# Altium PCB Lombardo_RevB.PcbDoc (part 2 of 2) (continued)
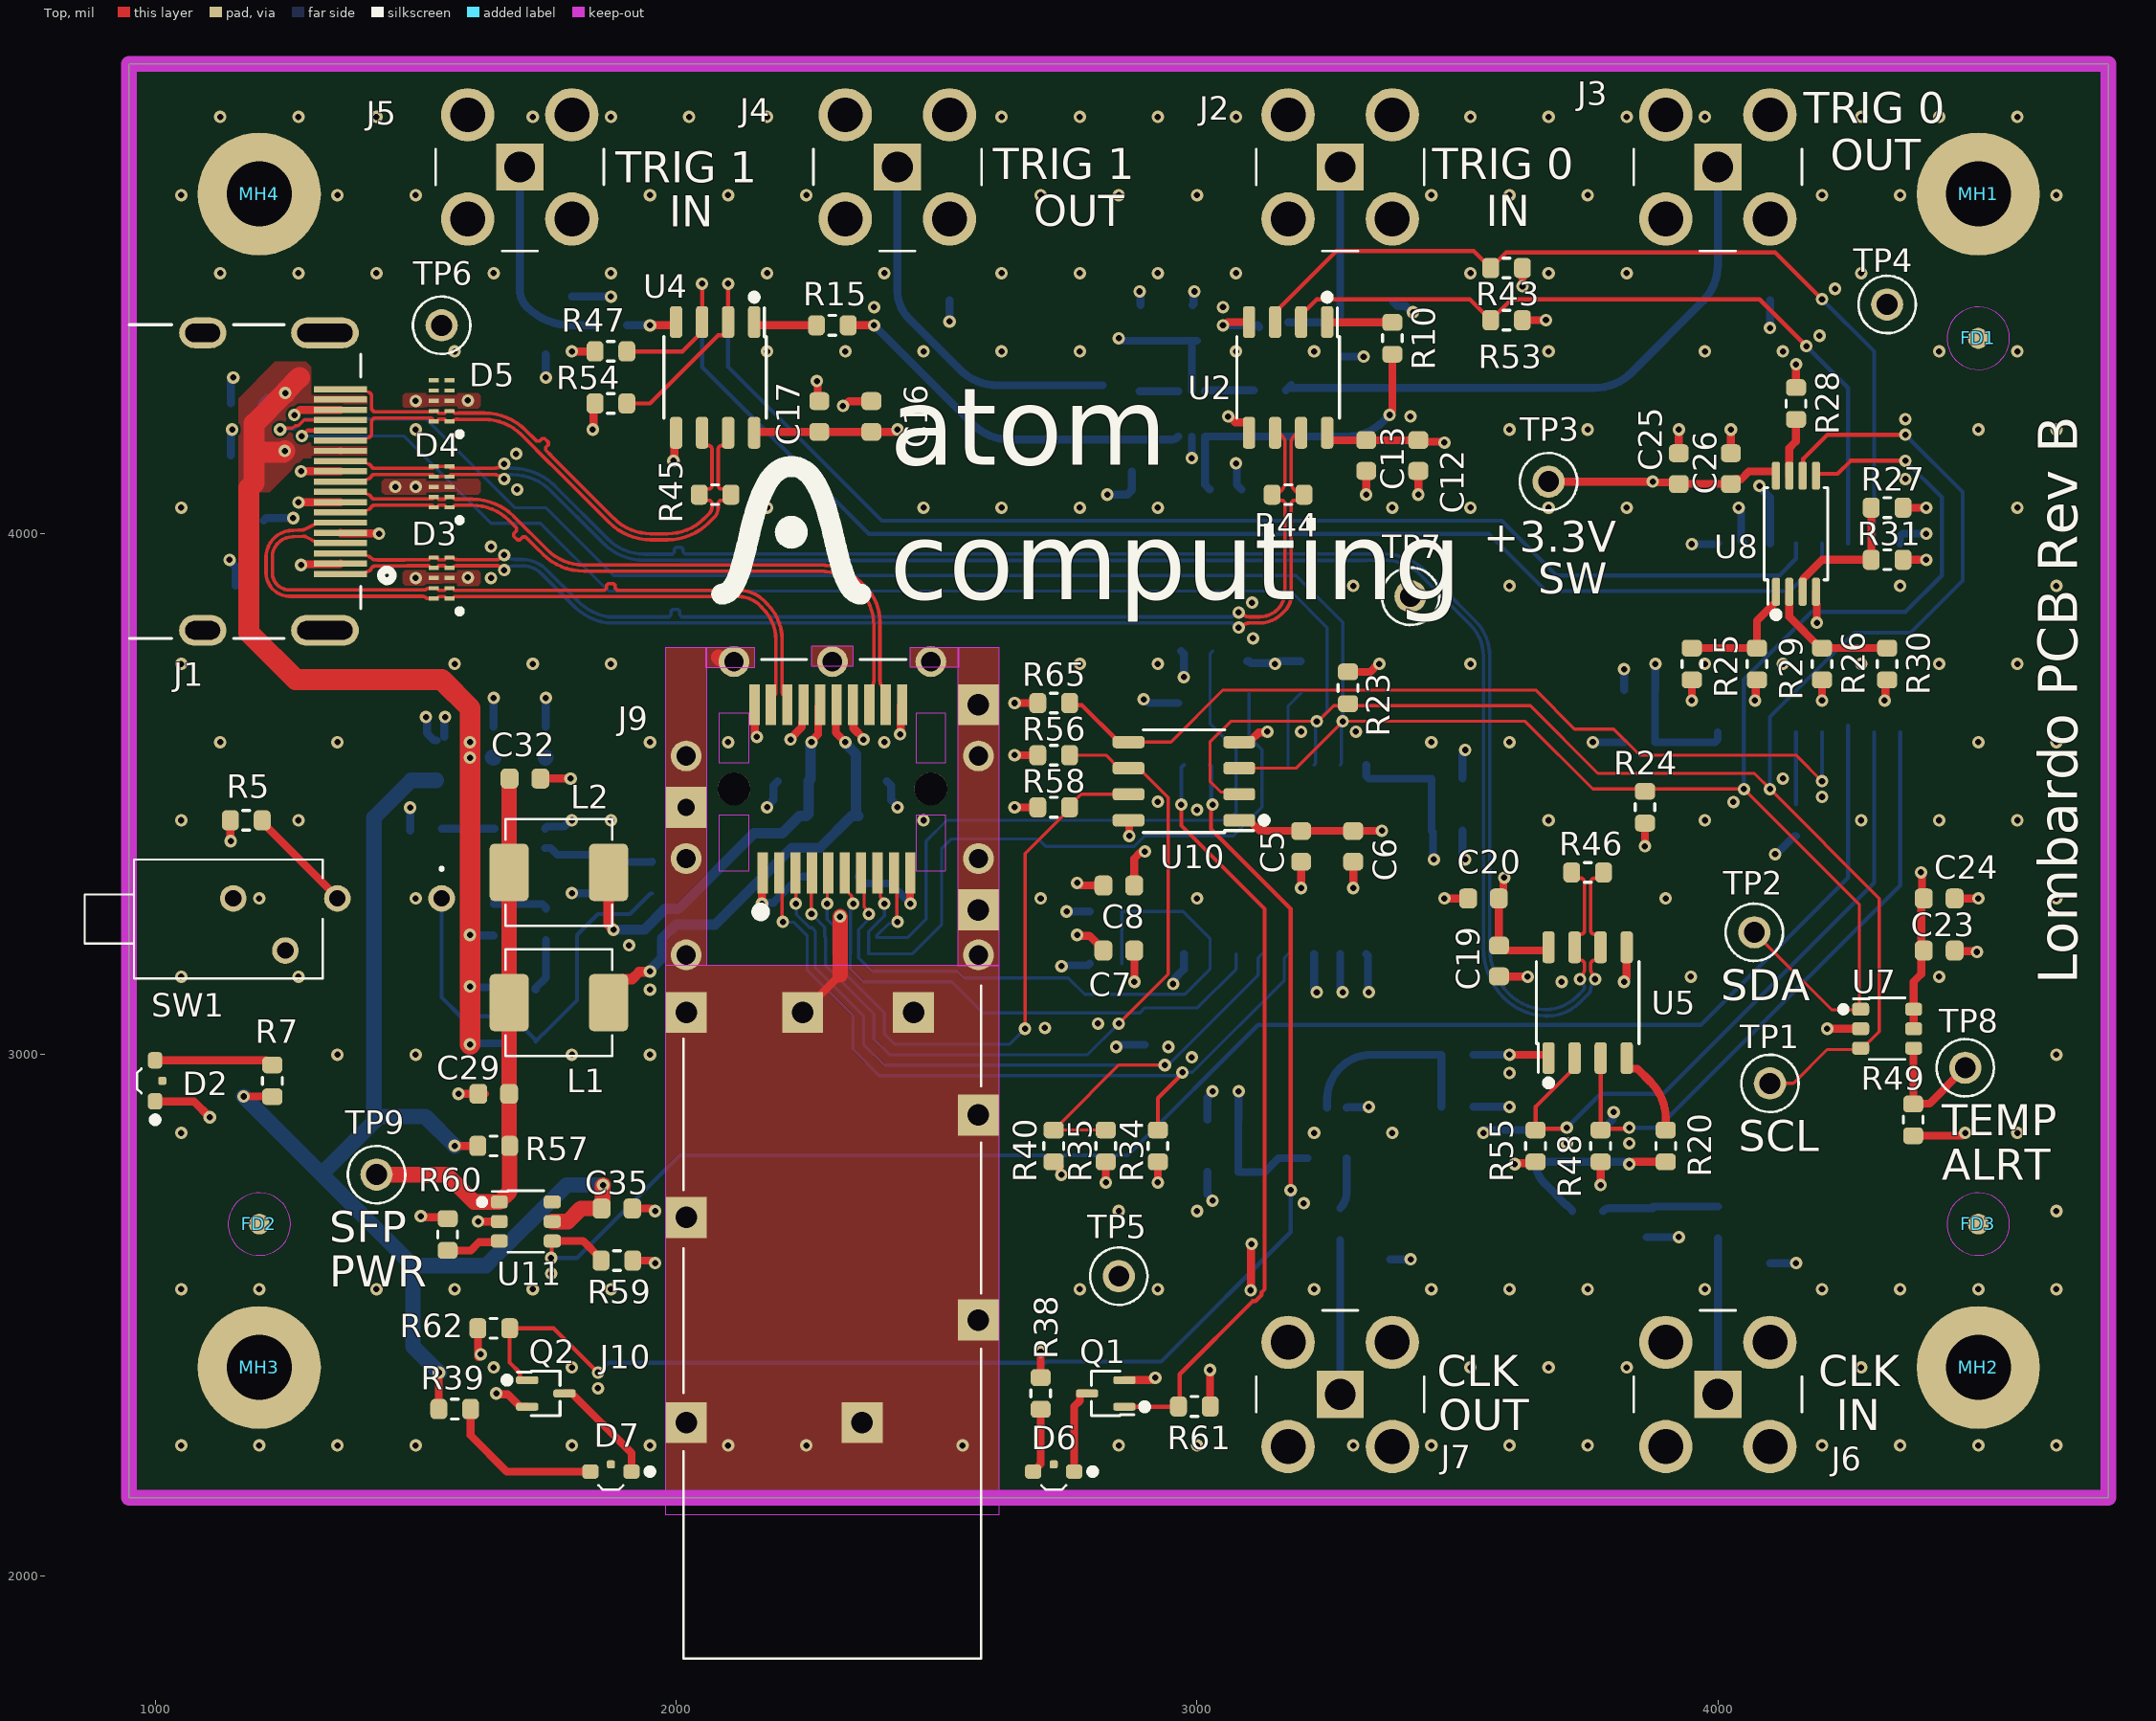
[diagram p0: Top view]
## Nets (pads, with @x,y where several pads share a name; then routed paths per layer and width w, separated by ;. In a path a pad name is that pad's centre, name@x,y a point inside that pad or via, vN(x,y) a via of type N, cw(c..) or ccw(c..) an arc to the next point about the centre after c; other vN are vias at no path point) (continued)
HDMI_MGT_TX_P: D3.2 D3.9 J1.4 J9.18 | length 1378.5
  Top w6.73: 1284.51,3995.39 1265.36,3994.23 cw(c1264.2,4013.41) 1264.2,3994.2 ccw(c1264.2,3955) 1225,3955 1225,3925 ccw(c1257.89,3925) 1257.89,3892.11 1518.63,3892.11 cw(c1526.38,3884.36) 1526.38,3895.31 D3.9@1534.74,3895.31 1540.16,3895.31 1544.13,3891.34 1555.87,3891.34 1559.84,3895.31 D3.2@1565.26,3895.31 1570.67,3895.31 1574.65,3891.34 1834.8,3891.34 1834.99,3891.52 1836.66,3891.52 ; 1284.53,3995.39 cw(c1284.94,3988.3) 1288.19,3994.62 1300.78,3988.08 1308.28,3984.24 J1.4@1355.91,3981.89 ; 1836.71,3891.52 1838.4,3891.52 1838.59,3891.34 1859.2,3891.34 1862.57,3891.34 1866.51,3895.28 1866.51,3901.03 1869.86,3904.37 1879.9,3904.37 1883.25,3901.03 1883.25,3895.28 1887.19,3891.34 1919.15,3891.34 2083.81,3891.34 2084,3891.15 2118.77,3891.15 2119.14,3891.52 2119.57,3891.52 cw(c2119.45,3819.67) 2173.85,3866.61 2175.67,3864.49 ccw(c2181.05,3869.14) 2175.97,3864.17 ; 2175.99,3864.15 cw(c2106.77,3796.31) 2203.69,3796.48 2203.69,3796.26 cw(c2191.59,3796.2) 2203.69,3796.2 2203.69,3696.11 ccw(c2213.39,3696.11) J9.18@2213.39,3686.42
HDMI_TRIGGER_0_DE: R43.2 U2.3 U9.7 | length 1690.8
  Top w8: U2.3@3150,4406.3 3150,4425 3267.69,4542.69 3531.17,4542.69 R43.2@3563.86,4510 3593.86,4540 4110,4540 v1(4200,4450)
  Bottom w8: v1(4200,4450) 4300,4350 U9.7@4300,3981.3
HDMI_TRIGGER_0_IN: D8.2 J2.1 R9.2 R11.2 | length 398.4
  Bottom w15.33: R9.2@3175,4405.51 R11.2@3275,4405.51 J2.1@3275,4703.94
HDMI_TRIGGER_0_N: D3.5 D3.6 J1.3 R44.2 U2.6 | length 2263.7
  Top w6.73: J1.3@1355.91,3962.2 1403.53,3959.85 1410.98,3956.04 cw(c1407.09,3948.43) 1412.21,3955.27 1417.36,3951.42 ccw(c1421.62,3957.11) 1421.62,3950 1426.35,3950 1426.54,3949.81 1478.64,3949.81 1479.22,3950.39 1525.35,3950.39 1529.33,3954.37 D3.6@1534.74,3954.37 1540.16,3954.37 1544.13,3950.39 1555.87,3950.39 1559.84,3954.37 D3.5@1565.26,3954.37 1570.66,3954.37 1571.21,3953.81 ccw(c1579.56,3962.16) 1579.56,3950.35 1654.57,3950.35 ccw(c1654.57,3957.14) 1654.73,3950.35 1656.05,3950.39 cw(c1656.52,3931.82) 1656.52,3950.39 ccw(c1656.52,3957.18) 1660.66,3951.8 v1(1670,3959) ; v1(3080,3849) cw(c3080,3839.4) 3086.79,3846.19 ccw(c3100.78,3860.18) 3100.78,3840.39 3120,3840.39 ccw(c3120,3889.63) 3154.81,3854.81 ccw(c3120.31,3889.32) 3169.11,3889.32 3169.11,4057.42 ccw(c3162.32,4057.42) 3167.12,4062.22 ccw(c3162.32,4057.42) 3162.32,4064.21 cw(c3162.32,4081.21) 3150.3,4069.19 R44.2@3144.49,4075 ccw(c3144.49,4099.46) 3168.95,4099.46 3168.95,4174.75 ccw(c3150,4174.75) U2.6@3150,4193.7
  Bottom w6.73: v1(1670,3959) ccw(c1690.39,3979.39) 1690.39,3950.55 1705,3950.55 cw(c1705,3886.41) 1750.35,3931.77 1811.61,3870.51 ccw(c1888.95,3947.85) 1822.24,3861.18 ccw(c1887.51,3946.01) 1870.13,3840.39 1872.55,3840.39 ; 1872.58,3840.37 1982.85,3840.37 1986.21,3840.37 1990.16,3844.31 1990.16,3851.25 1993.5,3854.6 2003.54,3854.6 2006.89,3851.25 2006.89,3844.31 2010.83,3840.37 2039.62,3840.37 2469.45,3840.37 3067.42,3840.37 3076.06,3849 v1(3080,3849)
HDMI_TRIGGER_0_OUT: R10.2 R50.2 U3.1 | length 591.2
  Top w15.33: v1(3370,4228) 3370,4230.35 3375,4235.35 R10.2@3375,4344.49
  Bottom w15.33: R50.2@3024.49,4085 3015.59,4093.9 U3.1@3015.59,4186.69 3287.27,4186.69 ccw(c3287.27,4286.69) 3357.98,4215.98 v1(3370,4228)
HDMI_TRIGGER_0_OUT_BUF: D9.2 J3.1 R12.2 | length 1140.4
  Bottom w15.33: R12.2@3170.51,4275 R12.2@3181.22,4285.71 ; R12.2@3175.87,4280 3763.58,4280 ccw(c3763.58,4380) 3834.29,4309.29 3970.71,4445.71 ccw(c3900,4516.42) 4000,4516.42 J3.1@4000,4703.94
HDMI_TRIGGER_0_P: D3.4 D3.7 J1.1 R44.1 U2.7 | length 2265.2
  Top w6.73: J1.1@1355.91,3922.83 1403.53,3925.19 1410.98,3929 ccw(c1407.09,3936.61) 1415.03,3933.44 cw(c1421.62,3930.79) 1421.62,3937.89 ; 1421.67,3937.89 1421.86,3938.08 1483.5,3938.08 1484.08,3938.66 1525.35,3938.66 1529.33,3934.68 D3.7@1534.74,3934.68 1540.16,3934.68 1544.13,3938.66 1555.87,3938.66 1559.84,3934.68 D3.4@1565.26,3934.68 1565.81,3935.24 1571.21,3935.24 cw(c1579.25,3927.2) 1579.25,3938.57 1654.57,3938.57 ccw(c1654.57,3957.14) 1655.03,3938.57 1656.35,3938.6 cw(c1656.52,3931.82) 1660.66,3937.2 v1(1670,3930) ; v1(3080,3820) ccw(c3080,3829.6) 3086.79,3822.81 cw(c3100.78,3808.82) 3100.78,3828.61 3120.12,3828.61 ccw(c3120.12,3889.33) 3163.06,3846.39 3168.33,3851.67 ccw(c3138.01,3881.99) 3180.89,3881.99 3180.89,4057.42 cw(c3187.68,4057.42) 3182.88,4062.22 cw(c3187.68,4057.42) 3187.68,4064.21 ccw(c3187.68,4081.21) 3199.7,4069.19 R44.1@3205.51,4075 cw(c3205.51,4099.46) 3181.05,4099.46 3181.05,4174.75 cw(c3200,4174.75) U2.7@3200,4193.7
  Bottom w6.73: v1(1670,3930) cw(c1690.39,3909.61) 1690.39,3938.45 1705,3938.45 cw(c1705,3886.41) 1741.79,3923.21 1806.12,3858.88 ccw(c1886.82,3945.3) 1867.75,3828.61 ; 1867.78,3828.63 2474.31,3828.63 3067.42,3828.63 3076.06,3820 v1(3080,3820)
HDMI_TRIGGER_0_RE_B: R53.1 U2.2 U9.6 | length 1480.7
  Top w8: U2.2@3200,4406.3 3200,4423.97 3207.67,4431.63 3211.63,4431.63 3230,4450 3523.86,4450 R53.1@3563.86,4410 3603.86,4450 4080,4450 v1(4170,4360)
  Bottom w8: v1(4170,4360) 4250,4280 U9.6@4250,3981.3
HDMI_TRIGGER_1_DE: R47.2 U4.3 U9.5 | length 2795.7
  Top w8: R47.2@1905.51,4350 2012.4,4350 2050,4387.6 U4.3@2050,4406.3 v1(2050,4480)
  Bottom w8: v1(2050,4480) 2050,4320 2370,4000 3560,4000 3670,3890 4138.23,3890 4200,3951.77 U9.5@4200,3981.3
HDMI_TRIGGER_1_IN: D11.2 J5.1 R14.2 R16.2 | length 412.5
  Bottom w15.33: J5.1@1700,4703.94 1700,4484.57 1700,4469.14 ccw(c1748.58,4469.14) 1714.27,4434.75 ccw(c1798.34,4519.06) 1799.45,4400 R14.2@1844.49,4400
HDMI_TRIGGER_1_N: D5.2 D5.9 J1.19 R45.2 U4.6 | length 1054.4
  Top w6.73: J1.19@1355.91,4277.17 1403.53,4274.81 1410.98,4271 cw(c1407.09,4263.39) 1415.64,4263.39 1415.64,4257.11 1415.64,4241.11 ccw(c1422.74,4241.11) 1422.74,4234.01 ; 1422.79,4234.01 1515,4234.01 1533.44,4234.01 ccw(c1533.44,4235.31) D5.9@1534.74,4235.31 1540.16,4235.31 1544.13,4231.34 1555.87,4231.34 D5.2@1559.84,4235.31 ; D5.2@1565.26,4235.31 1570.67,4235.31 1571.24,4234.74 1572.07,4233.9 ccw(c1578.2,4240.03) 1578.2,4231.36 1581.79,4231.36 1581.95,4231.52 1632.16,4231.52 cw(c1632.16,4119.42) 1711.43,4198.69 1730.06,4180.06 1732.44,4177.68 1738.02,4177.68 1742.97,4182.63 1747.7,4182.63 1754.8,4175.53 1754.8,4170.8 1749.85,4165.85 1749.85,4160.27 1759.49,4150.63 1761.87,4148.25 1880.83,4029.29 ccw(c1951.54,4100) 1951.54,4000 1983.58,4000 ccw(c1983.58,4100) 2054.29,4029.29 2063.41,4038.41 ccw(c2049.64,4052.17) 2069.11,4052.17 2069.11,4057.42 ccw(c2062.32,4057.42) 2067.12,4062.22 ccw(c2062.32,4057.42) 2062.32,4064.21 cw(c2062.32,4081.21) 2050.3,4069.19 R45.2@2044.49,4075 2051.81,4082.32 cw(c2060.21,4073.9) 2060.21,4085.79 2062.32,4085.79 ccw(c2062.32,4092.58) 2067.12,4087.78 ccw(c2062.32,4092.58) 2069.11,4092.58 2069.11,4162.36 ccw(c2062.32,4162.36) 2067.12,4167.16 ccw(c2062.32,4162.36) 2062.32,4169.15 cw(c2062.32,4179.03) 2055.33,4172.04 cw(c2068.2,4184.91) 2050,4184.91 U4.6@2050,4193.7
HDMI_TRIGGER_1_OUT: R15.2 R51.2 U3.3 | length 722.2
  Top w15.33: R15.2@2330.51,4400 v1(2380,4400)
  Bottom w15.33: v1(2380,4400) 2570.2,4209.8 ccw(c2640.91,4280.51) 2640.91,4180.51 2949.49,4180.51 ccw(c2949.49,4201.62) U3.3@2964.41,4186.69
HDMI_TRIGGER_1_OUT_BUF: D10.2 J4.1 R13.2 | length 718
  Bottom w15.33: J4.1@2425,4703.94 2425,4493.99 2425,4466.17 ccw(c2500.54,4466.29) 2447.15,4412.85 2545.71,4314.29 ccw(c2616.42,4385) 2616.42,4285 R13.2@2819.49,4285
HDMI_TRIGGER_1_P: D5.1 D5.10 J1.14 R45.1 U4.7 | length 1055.9
  Top w6.73: J1.14@1355.91,4178.74 1403.53,4181.09 1410.98,4184.91 ccw(c1407.09,4192.52) 1415.64,4192.52 1415.64,4214.79 cw(c1422.74,4214.79) 1422.74,4221.9 1528.47,4221.9 cw(c1528.47,4215.63) D5.10@1534.74,4215.63 1540.16,4215.63 1544.13,4219.6 1555.87,4219.6 D5.1@1559.84,4215.63 ; D5.1@1565.26,4215.63 1570.67,4215.63 1571.24,4216.2 1572.07,4217.04 cw(c1578.2,4210.91) 1578.2,4219.58 1581.79,4219.58 1581.95,4219.42 1632.16,4219.42 cw(c1632.16,4119.42) 1702.87,4190.13 1759.58,4133.42 1760.03,4133.42 1872.53,4020.92 ccw(c1951.5,4099.9) 1951.5,3988.21 1983.64,3988.21 ccw(c1983.64,4099.85) 2062.58,4020.91 2073.47,4031.8 ccw(c2055.53,4049.73) 2080.89,4049.73 2080.89,4057.42 cw(c2087.68,4057.42) 2082.88,4062.22 cw(c2087.68,4057.42) 2087.68,4064.21 ccw(c2087.68,4081.21) 2099.7,4069.19 R45.1@2105.51,4075 2098.19,4082.32 ccw(c2089.79,4073.9) 2089.79,4085.79 2087.68,4085.79 cw(c2087.68,4092.58) 2082.88,4087.78 cw(c2087.68,4092.58) 2080.89,4092.58 2080.89,4162.36 cw(c2087.68,4162.36) 2082.88,4167.16 cw(c2087.68,4162.36) 2087.68,4169.15 ccw(c2087.68,4179.03) 2094.67,4172.04 ccw(c2081.8,4184.91) 2100,4184.91 U4.7@2100,4193.7
HDMI_TRIGGER_1_RE_B: R54.1 U4.2 U9.4 | length 2761.7
  Top w8: R54.1@1905.51,4250 1950,4250 2080.96,4380.96 2092.33,4380.96 2100,4388.63 U4.2@2100,4406.3 v1(2100,4480)
  Bottom w8: v1(2100,4480) 2100,4320 2395,4025 3585,4025 3690,3920 4118.23,3920 4150,3951.77 U9.4@4150,3981.3
NetC4_1: C4.1 R8.2 U1.3 | length 217.1
  Bottom w15: U1.3@1748.43,3396.5 1759.45,3396.5 1772.05,3383.9 1839.53,3383.9 C4.1@1853.9,3369.53 1854.4,3370.02 1953.41,3370.02 R8.2@1953.9,3370.51
NetC18_2: C18.2 R19.2 R63.1 | length 221.9
  Bottom w15.33: C18.2@3779.53,2700 cw(c3792.83,2686.69) 3792.83,2705.51 R19.2@3875,2705.51 ; R19.2@3875,2708.8 R63.1@4000,2708.8
NetC29_1: C29.1 C32.1 L1.1 L2.1 R57.1 TP9.1 U11.1 | length 1069
  Top w30: TP9.1@1425,2770 1560,2770 1612.6,2717.4 U11.1@1660.66,2717.4 1680.51,2737.26 R57.1@1680.51,2825 ; R57.1@1679.53,2829.29 C29.1@1679.53,2925 L1.1@1679.53,3100 L2.1@1679.53,3350 C32.1@1679.53,3525
NetC30_1: C30.1 C31.1 J9.15 L1.2 | length 892.7
  Top w15: J9.15@2306.85,3671.42 2306.85,3618.15 v1(2325,3600)
  Top w20: L1.2@1870.47,3100 1870.47,3117.42 1897.97,3144.92 1915.39,3144.92 1929.71,3159.23 1949.23,3159.23 v1(1950,3160)
  Bottom w20: v1(1950,3160) 1950,3162.44 1972.94,3185.37 1972.94,3222.94 2000,3250 2075,3250 2222.08,3397.08 2276.02,3397.08 2337.01,3458.07 C30.1@2350,3458.07 2345.47,3462.6 C31.1@2345.47,3525 2345.47,3577.09 2325,3597.56 v1(2325,3600)
NetC33_1: C33.1 C34.1 J9.16 L2.2 | length 798.1
  Top w15: v1(2260,3600) 2260,3602.44 2273.01,3615.45 2273.01,3669.07 J9.16@2275.35,3671.42
  Top w20: L2.2@1870.47,3350 1870.47,3250.61 1880,3241.08 v1(1880,3240)
  Bottom w20: v1(1880,3240) 1939.18,3240 1979.18,3280 2005,3280 2150,3425 2203.94,3425 2237.01,3458.07 C33.1@2250,3458.07 2254.53,3462.6 C34.1@2254.53,3525 2258.28,3528.75 2258.28,3598.28 v1(2260,3600)
NetD1_1: D1.1 R3.1 U1.4 | length 213
  Bottom w15: U1.4@1651.57,3396.5 1650.79,3395.72 1650.79,3290.2 R3.1@1650,3289.42 1743.33,3289.42 1750,3282.74 D1.1@1750,3280.2
NetD1_2: D1.2 R2.1 | length 102.9
  Bottom w15: R2.1@1730.51,3125 1730.51,3128.55 1750,3148.03 D1.2@1750,3219.8
NetD2_2: D2.2 R7.1 | length 228.7
  Top w15: D2.2@1000,2989.37 1212.6,2989.37 1221.45,2980.51 R7.1@1225,2980.51
NetD6_1: D6.1 Q1.3 | length 168.4
  Top w15: D6.1@2764.37,2200 2764.37,2325.2 2775.22,2336.04 Q1.3@2775.22,2349.98 ; Q1.3@2775.24,2350 Q1.3@2789.17,2350
NetD6_2: D6.2 R38.1 | length 125.4
  Top w15: D6.2@2685.63,2200 2700,2214.37 R38.1@2700,2319.49
NetD7_1: D7.1 Q2.3 | length 211.4
  Top w15: Q2.3@1785.83,2350 1799.76,2350 1799.8,2349.96 1914.37,2235.39 D7.1@1914.37,2200
NetD7_2: D7.2 R39.1 | length 305.9
  Top w15: R39.1@1605.51,2320 1605.51,2269.49 1675,2200 D7.2@1832.12,2200
NetR5_1: R5.1 SW1.3 | length 209.8
  Top w15: R5.1@1205.51,3450 1205.51,3446.45 1350,3301.97 SW1.3@1350,3300
NetR6_2: R6.2 U1.5 | length 101.1
  Bottom w15: R6.2@1550.51,3433.9 U1.5@1651.57,3433.9
NetR9_1: R9.1 U2.4 | length 123.4
  Top w15.33: v1(3050,4400) 3052.35,4400 3058.65,4406.3 U2.4@3100,4406.3
  Bottom w15.33: v1(3050,4400) 3116.34,4400 R9.1@3119.49,4396.85
NetR10_1: R10.1 U2.1 | length 125.2
  Top w15.33: U2.1@3250,4406.3 ccw(c3251.9,4408.2) 3251.9,4405.51 R10.1@3375,4405.51
NetR12_1: R12.1 U3.6 | length 95.1
  Bottom w15.33: U3.6@3015.59,4273.31 3016.36,4274.08 3016.36,4275 R12.1@3109.49,4275
NetR13_1: R13.1 U3.4 | length 74.4
  Bottom w15.33: R13.1@2890,4273.31 U3.4@2964.41,4273.31
NetR14_1: R14.1 U4.4 | length 98.4
  Top w15.33: v1(1950,4400) 1995.85,4400 2000,4404.15 U4.4@2000,4406.3
  Bottom w15.33: R14.1@1905.51,4400 v1(1950,4400)
NetR15_1: R15.1 U4.1 | length 120.9
  Top w15.33: U4.1@2154.12,4400 R15.1@2275,4400
NetR20_1: R20.1 U5.4 | length 174.4
  Top w15.33: U5.4@3825,2993.7 3825,2977.49 3829.15,2973.34 3845.36,2973.34 3870.71,2947.99 cw(c3800,2877.28) 3900,2877.28 R20.1@3900,2855.51
NetR21_1: R21.1 U5.1 | length 148.4
  Top w15.33: v1(3600,3000) 3670.85,3000 3675,2995.85 U5.1@3675,2993.7
  Bottom w15.33: R21.1@3530.51,3000 v1(3600,3000)
NetR22_1: R22.1 U6.4 | length 99.4
  Bottom w15.33: R22.1@3275,2705.51 ccw(c3245.06,2735.45) 3287.4,2735.45 U6.4@3287.4,2801.57
NetR25_2: R25.2 R29.2 U8.1 | length 248.2
  Top w15: R25.2@3950,3780.51 R29.2@4075,3780.51 4075,3832.87 4111.61,3869.49 U8.1@4111.61,3888.58
NetR26_2: R26.2 R30.2 U8.2 | length 260.9
  Top w15: U8.2@4137.2,3888.58 4137.2,3840.16 4196.85,3780.51 R26.2@4200,3780.51 R30.2@4325,3780.51
NetR27_1: R27.1 R31.1 U8.3 | length 271.3
  Top w15: U8.3@4162.8,3888.58 4162.97,3888.76 4162.97,3913 4199.97,3950 R31.1@4294.49,3950 R27.1@4294.49,4050
NetR28_2: R28.2 U8.7 | length 113.4
  Top w15: U8.7@4137.2,4111.42 4137.2,4164.31 4150,4177.1 R28.2@4150,4219.49
NetR60_2: R60.2 U11.3 | length 106.6
  Top w15: R60.2@1561.52,2624.49 1605.98,2624.49 1621.78,2640.28 1658.34,2640.28 U11.3@1660.66,2642.6
NetR64_1: R64.1 U9.13 | length 138.2
  Bottom w8: R64.1@4150,3480.51 U9.13@4150,3618.7
NetR539_1: R539.1 U46.13 | length 148.5
  Bottom w6: U46.13@3175,3556.3 3175,3669.49 R539.1@3200,3694.49
SFP_ENABLE_B: D14.9 J9.3 R35.1 R40.2 U46.5 | length 1637.8
  Top w6: J9.3@2228.11,3348.58 2230,3346.69 v1(2230,3290) ; R40.2@2725,2855.51 2726.57,2857.09 2726.89,2857.09 2740.67,2870.86 2740.67,2871.18 2849.59,2980.1 v1(2938.33,2980.1) ; R40.2@2728.15,2855.51 R35.1@2825,2855.51
  Bottom w6: v1(2230,3290) 2231.3,3288.7 2231.3,3269 2256.46,3243.84 2261.21,3243.84 2267.32,3237.73 D14.9@2267.32,3193.5 2267.32,3167.12 2360,3074.44 2360,3020 2400,2980 2945,2980 3117.61,3152.61 3117.61,3186.31 U46.5@3125,3193.7
SFP_I2C_EN: R65.2 U9.12 U10.5 | length 1683.2
  Top w6: U10.5@2868.7,3600 2950,3600 3050,3700 3650,3700 3725,3625 3800,3625 3850,3575 4150,3575 v1(4200,3525)
  Top w8: R65.2@2755.51,3675 2759.48,3671.03 2778.97,3671.03 2850,3600 U10.5@2868.7,3600
  Bottom w8: v1(4200,3525) U9.12@4200,3618.7
SFP_LED_GREEN: Q1.1 R61.2 U46.9 | length 1473.1
  Top w8: Q1.1@2860.83,2324.41 2952.67,2324.41 2958.82,2330.56 2958.82,2333.82 2966.88,2333.82 2966.88,2386.88 3107,2527 3111.85,2527 3124.15,2539.3 3124.15,2544.15 3130,2550 3130,3280 2970,3440 v1(2970,3480)
  Bottom w8: v1(2970,3480) 2970,3551.3 U46.9@2975,3556.3
SFP_LED_YELLOW: Q2.1 R62.2 U46.10 | length 2731.3
  Top w8: Q2.1@1700.22,2375.61 1700.22,2389.55 1680.51,2409.25 R62.2@1680.51,2475 1765,2475 v1(1850,2390) ; Q2.1@1700.24,2375.59 Q2.1@1714.17,2375.59 ; v1(3030,3480) 3026.94,3476.94 3026.94,3433.06 3180,3280 v1(3180,2740)
  Bottom w8: v1(1850,2390) 1869,2409 2708.7,2409 2710.7,2411 2931.3,2411 3180,2659.7 v1(3180,2740) ; U46.10@3025,3556.3 3027.5,3553.8 3027.5,3482.5 v1(3030,3480)
SFP_MOD_ABS: D14.7 J9.6 R36.1 U46.6 | length 1032.7
  Top w6: J9.6@2322.6,3348.58 2322.6,3319.05 2336.56,3305.1 2336.56,3293.44 v1(2340,3290)
  Bottom w6: v1(2340,3290) 2340,3285.13 2335,3280.13 2335,3194.25 D14.7@2334.25,3193.5 2334.25,3165.75 2360,3140 2530,3140 2589.49,3080.51 2890.51,3080.51 2900,3090 3000.83,3090 3075,3164.17 U46.6@3075,3193.7
SFP_POWER_EN: R59.1 U9.11 U11.4 | length 3228.2
  Top w8: v1(1760,2610) 1761.19,2611.19 1761.19,2641.4 U11.4@1762.39,2642.6
  Top w15: U11.4@1762.39,2642.6 1821.56,2642.6 1856.01,2608.15 R59.1@1856.01,2605
  Bottom w8: v1(1760,2610) 1810,2610 2006.97,2806.97 2866.97,2806.97 3117.48,3057.48 3967.48,3057.48 4250,3340 U9.11@4250,3631.18
SFP_RS0: D14.4 J9.7 R32.1 R41.2 U46.7 | length 1251.2
  Top w6: J9.7@2354.09,3348.58 2360.94,3341.74 2360.94,3283.93 2370,3274.87 v1(2370,3270)
  Bottom w6: v1(2370,3270) 2366.56,3266.56 2366.56,3256.56 2350.33,3240.33 2350.33,3225 2350.33,3185.8 2376.13,3160 2540,3160 2552.8,3147.2 2753.21,3147.2 2784.56,3115.86 2976.68,3115.86 3025,3164.17 3025,3223.23 2973.23,3275 R32.1@2855.51,3275 R41.2@2855.51,3175
SFP_RS1: D14.5 J9.9 R33.1 R42.2 U46.11 | length 1361
  Top w6: J9.9@2417.09,3348.58 2423.93,3341.74 2423.93,3256.07 v1(2425,3255)
  Bottom w6: v1(2425,3255) 2421.56,3251.56 2408.05,3251.56 2385.43,3228.94 D14.5@2385.43,3225 2445,3225 2480,3260 2480,3410 2520,3450 3060,3450 3075,3465 U46.11@3075,3556.3 3075,3585.83 3025,3635.83 R42.2@3025,3675 3025,3769.49 R33.1@3030.51,3775
SFP_RX_LOS: D14.6 J9.8 R37.1 U46.12 | length 1372.9
  Top w6: J9.8@2385.59,3348.58 2392.43,3341.74 2392.43,3302.44 2400,3294.87 v1(2400,3290)
  Bottom w6: v1(2400,3290) 2400,3266.63 2369.68,3236.31 D14.6@2369.68,3193.5 2453.5,3193.5 2510,3250 2510,3396.49 2527.62,3414.1 2695.9,3414.1 2710,3400 2880,3400 2900,3420 3070,3420 3125,3475 U46.12@3125,3556.3 3125,3585.83 3100,3610.83 R37.1@3100,3694.49
SFP_TX_FAULT: D14.1 J9.2 R34.1 U46.4 | length 1524.8
  Top w6: J9.2@2196.61,3348.58 2203.46,3341.74 2203.46,3256.54 v1(2205,3255)
  Top w8: R34.1@2925,2855.51 2925,2916.77 2972.23,2964 v1(2972.23,2966.2)
  Bottom w6: v1(2205,3255) 2205.49,3254.51 2226,3254.51 2251.57,3228.94 D14.1@2251.57,3225 2251.57,3162.89 2340,3074.46 2340,3010 2390,2960 v1@2975,2960 ; v1@2972.23,2960 v1(2972.23,2966.2) 2991.2,2966.2 3167.61,3142.61 3167.61,3186.31 U46.4@3175,3193.7
SH_GND: C3.1 C36.2 C37.2 C38.2 C39.2 C40.2 C41.2 D3.3 D3.8 D4.3 D4.8 D5.3 D5.8 D8.1 D9.1 D10.1 D11.1 D12.1 D13.1 D14.3 J1.SH1 J1.SH2 J1.SH3 J1.SH4 J2.2 J2.3 J2.4 J2.5 J3.2 J3.3 J3.4 J3.5 J4.2 J4.3 J4.4 J4.5 J5.2 J5.3 J5.4 J5.5 J6.2 J6.3 J6.4 J6.5 J7.2 J7.3 J7.4 J7.5 J10.1 J10.2 J10.3 J10.4 J10.5 J10.6 J10.7 J10.8 J10.9 J10.10 J10.11 J10.12 J10.13 J10.14 J10.15 J10.16 J10.17 J10.18 J10.19 J10.20 MH1.1 MH2.1 MH3.1 MH4.1 R4.2 | length 468.9
  Top w15: J10.13@2243.11,3081.3 2315,3153.19
  Top w30: 2081.98,3763.22 2085.12,3760.09 J10.4@2105.66,3760.09 ; 2315,3153.19 v1(2315,3265)
  L3 w30: J10.5@2300.2,3754.53 J10.6@2489.17,3754.53
  Bottom w15: v1(2315,3265) 2315,3262.56 2318.5,3259.06 D14.3@2318.5,3225
  other v1: 1050,2250 1200,2250 1350,2250 1500,2250 1800,2250 1950,2250 2100,2250 2250,2250 2550,2250 2850,2250 3000,2250 3300,2250 3450,2250 3600,2250 3750,2250 4200,2250 4350,2250 4500,2250 4650,2250 3525,2400 3675,2400 3825,2400 4275,2400 1050,2550 1200,2550 3450,2550 3600,2550 3750,2550 4200,2550 4350,2550 4500,2550 4650,2550 1050,2850 1050,3150 1050,3450 1125,3600 1050,3750 1500,3915 1600.39,3915.73 1050,4050 1461.02,4090 1500,4090 1500,4255 1600.39,4255.73 1125,4500 1275,4500 1425,4500 1875,4500 2175,4500 2625,4500 2775,4500 2925,4500 3075,4500 3525,4500 3675,4500 3825,4500 4275,4500 1050,4650 1350,4650 1500,4650 1950,4650 2100,4650 2250,4650 2700,4650 2850,4650 3000,4650 3450,4650 3600,4650 3750,4650 4200,4650 4350,4650 4650,4650 1125,4800 1275,4800 1425,4800 1725,4800 1875,4800 2025,4800 2175,4800 2625,4800 2775,4800 2925,4800 3075,4800 3525,4800 3675,4800 3825,4800 3975,4800 4275,4800 4425,4800 4575,4800
TEMP_ALERT: R49.1 TP8.1 U7.4 | length 236.2
  Top w15: U7.4@4375.87,3012.6 4375.43,3012.17 4375.43,2905.94 R49.1@4375,2905.51 4375.96,2906.47 4406.47,2906.47 TP8.1@4475,2975
pads on no net: D2.MP1 D5.4 D5.5 D5.6 D5.7 D6.MP1 D7.MP1 FD1.1 FD2.1 FD3.1 FD4.1 FD5.1 FD6.1 J9. U6.1 U11.6

## Polygon pours and split planes (outlines as drawn)
SH_GND on Top "SH_GND_L01_P018" (solid, pour order 18): 2449.6,3782.09 2620,3782.09 2620,2116.45 2619.96,2116.41 1980.12,2116.41 1980.12,3782.07 1980.1,3782.09 2150.71,3782.09 2150.71,3742.83 2057.87,3742.83 2057.87,3173.09 ccw(c2060.16,3173.09) 2058.54,3171.48 ccw(c2060.53,3173.46) 2060.53,3170.66 2541.16,3170.66 2541.16,3739.97 cw(c2545.54,3739.97) 2542.44,3743.07 2449.6,3743.07
+3.3V on Top "+3.3V_L01_P021" (solid, pour order 21): 1300,4271.26 1300,4320 1290,4330 1230,4330 1160,4260 1160,4090 1170,4080 1220,4080 1285.28,4145.28 1407.09,4145.28 1407.09,4172.83 1304.72,4172.83 1304.72,4243.7 1407.09,4243.7 1407.09,4271.26
SH_GND on Top "SH_GND_L01_P019" (solid, pour order 19): 2339.53,3784.49 2339.53,3745.47 2260.87,3745.47 2260.87,3784.49
SH_GND on Top "SH_GND_L01_P016" (solid, pour order 16): 1480,3900 1475.07,3904.93 1475.07,3925.07 1480,3930 1620.07,3930 1625.07,3925 1625.07,3905 1620.07,3900
SH_GND on Top "SH_GND_L01_P015" (solid, pour order 15): 1440,4105 1435,4100 1435,4080 1440,4075 1479.52,4075 1479.76,4075.24 1480,4075 1620.07,4075 1625.07,4080 1625.07,4100 1620.07,4105
SH_GND on Top "SH_GND_L01_P012" (solid, pour order 12): 1480,4240 1475.07,4244.93 1475.07,4265.07 1480,4270 1620.07,4270 1625.07,4265 1625.07,4245 1620.07,4240
SH_GND on Bottom "SH_GND_L04_P027" (solid, pour order 27): 4031.43,2575 4013.94,2557.51 4013.94,2541.06 4050,2505 4050,2398.06 4031.94,2380 3970.44,2380 3950,2400.44 3950,2500 3875,2575 3305,2575 3288.94,2558.94 3288.94,2546.06 3326.44,2508.56 3326.44,2399.51 3306.94,2380 3245.39,2380 3223.82,2401.57 3223.82,2506.58 3200.4,2530 3120,2530 3075,2485 3075,2415 3000,2340 1485,2340 1090,2735 1090,3450 1525,3885 1625,3885 1635,3895 1632.98,3897.02 1632.98,3927.02 1625,3935 1465,3935 1390,3860 1161.77,3860 1120,3901.77 1120,4025 1161.68,4066.68 1517.83,4066.68 1525.39,4074.25 1525.39,4100 1515.39,4110 1157.99,4110 1120,4147.99 1120,4295 1165,4340 1380,4340 1483.72,4236.28 1626.28,4236.28 1635,4245 1635,4275 1625,4285 1505,4285 1455,4335 1455,4435 1560,4540 1630,4540 1649.1,4559.1 1649.1,4658.66 1670.44,4680 1723.94,4680 1750.54,4653.4 1750.54,4540.54 1713.94,4503.94 1713.94,4494.26 1723.2,4485 2295,4485 2375,4565 2375,4655 2400,4680 2450,4680 2476.08,4653.92 2476.08,4546.08 2438.94,4508.94 2438.94,4496.06 2450,4485 3155,4485 3223.82,4553.82 3223.82,4652.76 3256.06,4685 3301.59,4685 3326.44,4660.14 3326.44,4546.44 3288.94,4508.94 3288.94,4496.06 3300,4485 3885,4485 3950,4550 3950,4665 3970,4685 4030,4685 4050,4665 4050,4545 4013.94,4508.94 4013.94,4494.49 4022.66,4485.77 4734.71,4489.75 4734.71,4886.71 965.29,4886.71 965.29,2165.29 4734.71,2165.29 4734.71,2575
+3.3V_SW on Bottom "+3.3V_SW_L04_P023" (solid, pour order 23): 1595,3550 1580,3565 1510,3565 1483.27,3538.27 1483.27,3506.73 1530.51,3459.49 1678.78,3459.49 ccw(c1678.78,3461.22) 1680,3460 1713.23,3493.23 ccw(c1708.98,3497.5) 1715,3497.5 1715,3535 1700,3550
+3.3V on Bottom "+3.3V_L04_P022" (solid, pour order 22): 1580,3610 1580,3565 1595,3550 1700,3550 1715,3535 1715,3460 1770,3460 1790,3480 1790,3600 1765,3625 1595,3625
GND on L3 "GND_L02_P004" (solid, pour order 26): 950,2150 950,4902 4750,4902 4750,2150
SH_GND on L3 "SH_GND_L03_P004" (solid, pour order 4): 1750.54,4544.46 1810,4485 2315,4485 2375,4545 2375,4655 2400,4680 2450,4680 2476.08,4653.92 2476.08,4543.92 2535,4485 3165,4485 3223.82,4543.82 3223.82,4652.76 3256.06,4685 3301.59,4685 3326.44,4660.14 3326.44,4546.44 3387.89,4485 3885,4485 3950,4550 3950,4665 3970,4685 4030,4685 4050,4665 4050,4545 4110,4485 4734.71,4485 4734.71,4886.71 965.29,4886.71 965.29,2165.29 4734.71,2165.29 4734.71,2575 4124.56,2575 4050,2500.44 4050,2398.06 4031.94,2380 3970.44,2380 3950,2400.44 3950,2500 3875,2575 3392.89,2575 3326.44,2508.56 3326.44,2399.51 3306.94,2380 3245.39,2380 3223.82,2401.57 3223.82,2506.58 3200.4,2530 3120,2530 3075,2485 3075,2415 3000,2340 1485,2340 1090,2735 1090,3450 1525,3885 1625,3885 1635,3895 1632.98,3897.02 1632.98,3927.02 1625,3935 1465,3935 1390,3860 1161.77,3860 1120,3901.77 1120,4025 1161.68,4066.68 1517.83,4066.68 1525.39,4074.25 1525.39,4100 1515.39,4110 1157.99,4110 1120,4147.99 1120,4295 1165,4340 1380,4340 1483.72,4236.28 1626.28,4236.28 1635,4245 1635,4275 1625,4285 1505,4285 1455,4335 1455,4435 1560,4540 1630,4540 1649.1,4559.1 1649.1,4658.66 1670.44,4680 1723.94,4680 1750.54,4653.4
GND on L2 "+3.3V_GND_L02_P003" (solid, pour order 3): 950,2150 950,4902 4750,4902 4750,2150

## Keep-outs
Keep-Out Layer:
  the board outline again, w30

## Other copper
L2:
  pour cut-out: 2168.11,3628 2227.89,3628 2228.11,3628.21 2228.11,3715.69 2168.11,3715.69
  pour cut-out: 2356.11,3628 2415.89,3628 2416.11,3628.21 2416.11,3715.69 2356.11,3715.69

## Silkscreen, mask and mechanical layers (free items; w line width, h text height)
Top Overlay:
  drawing of 2 lines, arcs and shapes, not listed
  text "TRIG 0" at 4165,4788 h60
  text "OUT" at 4216,4698 h60
  text "TRIG 1" at 2609,4680 h60
  text "TRIG 0" at 3452,4680 h60
  text "TRIG 1" at 1884,4674 h60
  text "OUT" at 2687,4590 h60
  text "IN" at 3555,4590 h60
  text "IN" at 1987,4589 h60
  text "+3.3V" at 3550,3965 h60
  text "SW" at 3655,3885 h60
  text "atom / computing" at 2410,3824.71 h257.54
  text "Lombardo PCB Rev B" at 4689.98,3135 h75 r90
  text "SDA" at 4005.28,3104.56 h60
  text "TEMP" at 4430,2845 h60
  text "SCL" at 4040,2815 h60
  text "ALRT" at 4430,2760 h60
  text "SFP" at 1335,2640 h60
  text "PWR" at 1335,2555 h60
  text "CLK" at 3461,2364 h60
  text "CLK" at 4193,2364 h60
  text "OUT" at 3464,2279 h60
  text "IN" at 4227,2279 h60
Board:
  lines w10: 6998.67,1523.71 7000,1522.38 ; 950,2150 950,4902 4750,4902 4750,2150 950,2150

## Dimensions
1200,4652 to 950,4902 on Mechanical 1
1200,4652 to 950,4902 on Mechanical 1
4500,2400 to 4750,2150 on Mechanical 1
4500,2400 to 4750,2150 on Mechanical 1
1700,4703.94 to 2425,4703.94 on Mechanical 1
3275,4703.94 to 2425,4703.94 on Mechanical 1
4750,4902 to 4750,2150 on Mechanical 1
950,4902 to 4750,4902 on Mechanical 1
1700,4703.94 to 2425,4703.94 on Mechanical 1
4000,4703.94 to 1700,4703.94 on Mechanical 1
3275,4703.94 to 4000,4703.94 on Mechanical 1
2625.52,4546.46 to 4750,4902 on Mechanical 1
8075,9767.92 to 4750,4902 on Mechanical 1
4750,2150 to 4864,1962 on Mechanical 1
2489.18,3510.4 to 8075,6640 on Mechanical 1
2111.22,3510.4 to 4750,2150 on Mechanical 1
3074.48,2503.54 to 950,2150 on Mechanical 1
3475.52,2503.54 to 3475.52,1696.44 on Mechanical 1

## Text inside footprints (layer, text, board x,y; h text height)
J1: Top Assembly "PCB EDGE" at 960.83,3765.35 h31.5 r270